# Altium PCB MOTOR SECOND.PcbDoc (part 3 of 4) (continued)
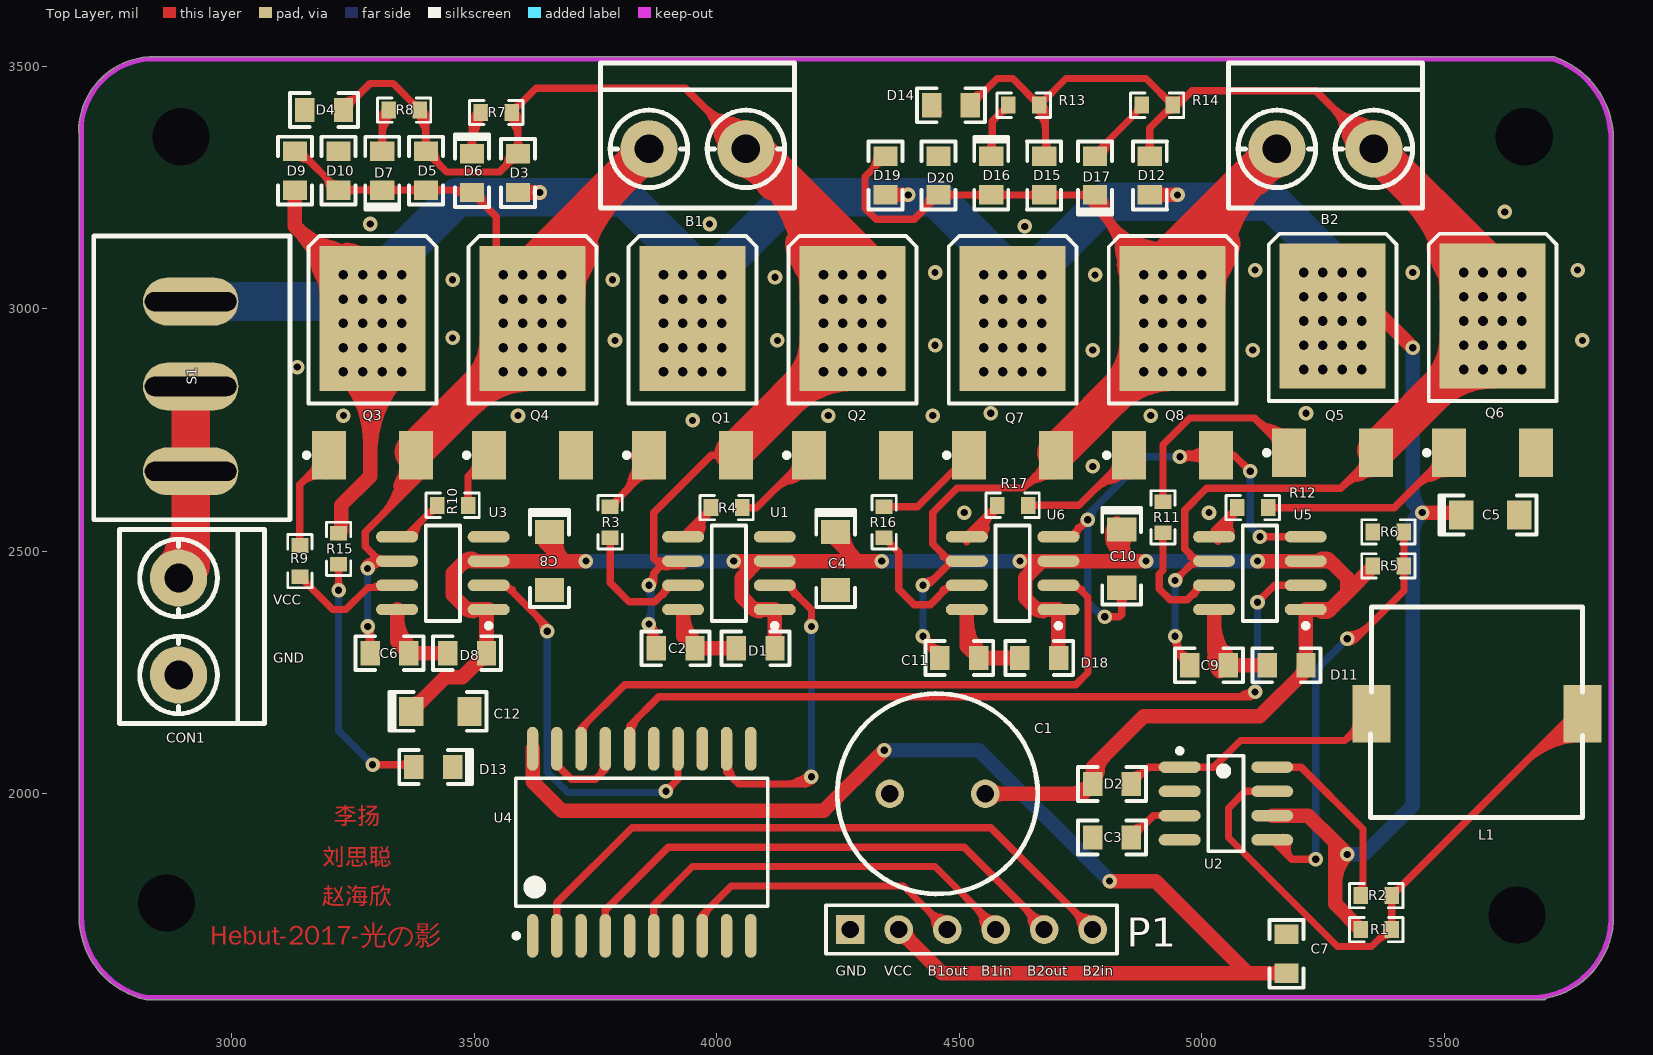
[diagram p0: Top Layer view]
## Nets (pads, with @x,y where several pads share a name; then routed paths per layer and width w, separated by ;. In a path a pad name is that pad's centre, name@x,y a point inside that pad or via, vN(x,y) a via of type N, cw(c..) or ccw(c..) an arc to the next point about the centre after c; other vN are vias at no path point) (continued)
  Top Layer w80: Q7.3@4699.76,2703.51 4866.26,2870 v1(4880,2870) ; Q8.2@4920,3095 B2.2@5155,3330 ; 4814.79,2818.53 cw(c4940,2693.31) Q8.2@4940,2870.39 ; 4814.79,2818.53 cw(c4940,2693.31) Q8.2@4940,2870.39 ; 4814.79,2818.53 cw(c4940,2693.31) Q8.2@4940,2870.39 ; 4824.68,2828.42 ccw(c4713.45,2939.65) Q8.2@4870.75,2939.65 ; 4824.68,2828.42 ccw(c4713.45,2939.65) Q8.2@4870.75,2939.65 ; 4824.68,2828.42 ccw(c4713.45,2939.65) Q8.2@4870.75,2939.65 ; Q8.2@4929.25,3020.35 cw(c5131.8,3020.35) 4988.58,3163.58 ; Q8.2@4929.25,3020.35 cw(c5131.8,3020.35) 4988.58,3163.58 ; Q8.2@4929.25,3020.35 cw(c5131.8,3020.35) 4988.58,3163.58 ; Q8.2@4945.37,3011.05 ccw(c4844.16,3186.36) 5039.69,3133.97 ; Q8.2@4945.37,3011.05 ccw(c4844.16,3186.36) 5039.69,3133.97 ; Q8.2@4945.37,3011.05 ccw(c4844.16,3186.36) 5039.69,3133.97 ; Q8.2@5009.25,3020.35 cw(c5404.94,3020.35) B2.2@5125.14,3300.14 ; Q8.2@5009.25,3020.35 cw(c5404.94,3020.35) B2.2@5125.14,3300.14 ; Q8.2@5009.25,3020.35 cw(c5404.94,3020.35) B2.2@5125.14,3300.14 ; 5109.34,3272.78 cw(c5181.49,3231.12) B2.2@5159.93,3311.59 ; 5109.34,3272.78 cw(c5181.49,3231.12) B2.2@5159.93,3311.59 ; 5109.34,3272.78 cw(c5181.49,3231.12) B2.2@5159.93,3311.59
  Bottom Layer w15: v2(4425,2325) v2@4425,2420 ; v2@4419.7,2330.3 ccw(c4406.89,2343.11) 4425,2343.11 ; v2@4419.7,2330.3 ccw(c4406.89,2343.11) 4425,2343.11 ; v2@4419.7,2330.3 ccw(c4406.89,2343.11) 4425,2343.11 ; v2@4419.7,2424.7 cw(c4406.89,2411.89) 4425,2411.89 ; v2@4419.7,2424.7 cw(c4406.89,2411.89) 4425,2411.89 ; v2@4419.7,2424.7 cw(c4406.89,2411.89) 4425,2411.89 ; 4425,2343.11 ccw(c4443.11,2343.11) v2@4430.3,2330.3 ; 4425,2343.11 ccw(c4443.11,2343.11) v2@4430.3,2330.3 ; 4425,2343.11 ccw(c4443.11,2343.11) v2@4430.3,2330.3 ; 4425,2411.89 cw(c4443.11,2411.89) v2@4430.3,2424.7 ; 4425,2411.89 cw(c4443.11,2411.89) v2@4430.3,2424.7 ; 4425,2411.89 cw(c4443.11,2411.89) v2@4430.3,2424.7
  other v1: 4920,2870 4960,2870 5000,2870 4880,2920 4920,2920 4960,2920 5000,2920 4880,2970 4920,2970 4960,2970 5000,2970 4880,3020 4920,3020 4960,3020 5000,3020 4880,3070 4960,3070 5000,3070
  other v2: 4425,2430
OUT2: B2.1 C9.2 D12.1 D14.2 D15.2 Q5.3 Q6.2 R13.2 R14.2 U5.6 | length 10375
  Top Layer w15: D14.2@4523,3420 4578,3475 4610,3475 R13.2@4665,3420 ; D15.2@4678,3325 4678,3407 R13.2@4665,3420 ; D12.1@4893,3315 D12.1@4908,3315 ; D12.1@4893,3320 4893,3373 R14.2@4940,3420 4885,3475 4720,3475 R13.2@4665,3420 ; v2(4945,2325) 4950,2290 ; v2(4945,2440) 4985,2480 U5.6@4990,2480 ; R14.2@4950,3420 4980,3450 5235,3450 B2.1@5355,3330 ; C9.2@4975,2265 4950,2290 ; 4981.27,2473.14 cw(c4989.23,2465.18) U5.6@4992.69,2475.9 ; 4982.75,2486.51 ccw(c4989.43,2492.39) U5.6@4992.52,2484.04 ; U5.6@5025.51,2480 U5.6@4990,2480 ; Q5.3@5359.76,2703.27 5286.5,2630 5010,2630 4964.7,2584.7 4964.7,2505.3 U5.6@4990,2480 ; D14.2@4520.63,3425.81 cw(c4543.42,3418.05) D14.2@4537.19,3441.3 ; D14.2@4520.63,3425.81 cw(c4543.42,3418.05) D14.2@4537.19,3441.3 ; D14.2@4520.63,3425.81 cw(c4543.42,3418.05) D14.2@4537.19,3441.3 ; D14.2@4523,3437.5 ccw(c4523,3479.75) 4552.87,3449.87 ; D14.2@4523,3437.5 ccw(c4523,3479.75) 4552.87,3449.87 ; D14.2@4523,3437.5 ccw(c4523,3479.75) 4552.87,3449.87 ; D14.2@4535.5,3425 cw(c4553.61,3425) D14.2@4540.8,3437.8 ; D14.2@4535.5,3425 cw(c4553.61,3425) D14.2@4540.8,3437.8 ; D14.2@4535.5,3425 cw(c4553.61,3425) D14.2@4540.8,3437.8 ; 4647.93,3437.07 ccw(c4665,3454.14) R13.2@4665,3430 ; 4647.93,3437.07 ccw(c4665,3454.14) R13.2@4665,3430 ; 4647.93,3437.07 ccw(c4665,3454.14) R13.2@4665,3430 ; R13.2@4659.7,3412.2 cw(c4615.51,3368.01) 4678,3368.01 ; R13.2@4659.7,3412.2 cw(c4615.51,3368.01) 4678,3368.01 ; R13.2@4659.7,3412.2 cw(c4615.51,3368.01) 4678,3368.01 ; R13.2@4665,3430 ccw(c4665,3454.14) 4682.07,3437.07 ; R13.2@4665,3430 ccw(c4665,3454.14) 4682.07,3437.07 ; R13.2@4665,3430 ccw(c4665,3454.14) 4682.07,3437.07 ; R13.2@4670.3,3422.8 cw(c4651.72,3404.22) R13.2@4678,3404.22 ; R13.2@4670.3,3422.8 cw(c4651.72,3404.22) R13.2@4678,3404.22 ; R13.2@4670.3,3422.8 cw(c4651.72,3404.22) R13.2@4678,3404.22 ; D15.2@4671.16,3323.84 ccw(c4654.65,3340.35) 4678,3340.35 ; D15.2@4671.16,3323.84 ccw(c4654.65,3340.35) 4678,3340.35 ; D15.2@4671.16,3323.84 ccw(c4654.65,3340.35) 4678,3340.35 ; R13.2@4671.94,3414.67 ccw(c4700.28,3403.11) 4673.78,3387.81 ; R13.2@4671.94,3414.67 ccw(c4700.28,3403.11) 4673.78,3387.81 ; R13.2@4671.94,3414.67 ccw(c4700.28,3403.11) 4673.78,3387.81 ; 4678,3350.01 ccw(c4715.01,3350.01) D15.2@4688.84,3323.84 ; 4678,3350.01 ccw(c4715.01,3350.01) D15.2@4688.84,3323.84 ; 4678,3350.01 ccw(c4715.01,3350.01) D15.2@4688.84,3323.84 ; D12.1@4884.16,3323.84 ccw(c4862.82,3345.18) 4893,3345.18 ; D12.1@4884.16,3323.84 ccw(c4862.82,3345.18) 4893,3345.18 ; D12.1@4884.16,3323.84 ccw(c4862.82,3345.18) 4893,3345.18 ; 4893,3345.18 ccw(c4923.18,3345.18) D12.1@4901.84,3323.84 ; 4893,3345.18 ccw(c4923.18,3345.18) D12.1@4901.84,3323.84 ; 4893,3345.18 ccw(c4923.18,3345.18) D12.1@4901.84,3323.84 ; 4922.93,3402.93 cw(c4940,3385.86) R14.2@4940,3410 ; 4922.93,3402.93 cw(c4940,3385.86) R14.2@4940,3410 ; 4922.93,3402.93 cw(c4940,3385.86) R14.2@4940,3410 ; 4922.93,3437.07 ccw(c4940,3454.14) R14.2@4940,3430 ; 4922.93,3437.07 ccw(c4940,3454.14) R14.2@4940,3430 ; 4922.93,3437.07 ccw(c4940,3454.14) R14.2@4940,3430 ; R14.2@4940,3430 ccw(c4940,3478.28) 4974.14,3444.14 ; R14.2@4940,3430 ccw(c4940,3478.28) 4974.14,3444.14 ; R14.2@4940,3430 ccw(c4940,3478.28) 4974.14,3444.14 ; v2@4940.5,2319 cw(c4929.64,2304.51) 4947.56,2307.08 ; v2@4940.5,2319 cw(c4929.64,2304.51) 4947.56,2307.08 ; v2@4940.5,2319 cw(c4929.64,2304.51) 4947.56,2307.08 ; v2@4945,2447.5 ccw(c4945,2465.61) 4957.8,2452.8 ; v2@4945,2447.5 ccw(c4945,2465.61) 4957.8,2452.8 ; v2@4945,2447.5 ccw(c4945,2465.61) 4957.8,2452.8 ; v2@4946.67,2313.31 ccw(c5014.78,2323.04) C9.2@4973.5,2268 ; v2@4946.67,2313.31 ccw(c5014.78,2323.04) C9.2@4973.5,2268 ; v2@4946.67,2313.31 ccw(c5014.78,2323.04) C9.2@4973.5,2268 ; v2@4946.67,2313.31 ccw(c5014.78,2323.04) C9.2@4973.5,2268 ; v2@4946.67,2313.31 ccw(c5014.78,2323.04) C9.2@4973.5,2268 ; v2@4946.67,2313.31 ccw(c5014.78,2323.04) C9.2@4973.5,2268 ; 4947.56,2307.08 cw(c4965.49,2309.64) v2@4951,2320.5 ; 4947.56,2307.08 cw(c4965.49,2309.64) v2@4951,2320.5 ; 4947.56,2307.08 cw(c4965.49,2309.64) v2@4951,2320.5 ; 4950,2290 ccw(c4969.15,2309.15) C9.2@4973.15,2282.36 ; 4950,2290 ccw(c4969.15,2309.15) C9.2@4973.15,2282.36 ; 4950,2290 ccw(c4969.15,2309.15) C9.2@4973.15,2282.36 ; 4951.15,2296.48 ccw(c4980.52,2319.54) C9.2@4976.38,2282.42 ; 4951.15,2296.48 ccw(c4980.52,2319.54) C9.2@4976.38,2282.42 ; 4951.15,2296.48 ccw(c4980.52,2319.54) C9.2@4976.38,2282.42 ; 4951.15,2296.48 ccw(c4980.52,2319.54) C9.2@4976.38,2282.42 ; 4951.15,2296.48 ccw(c4980.52,2319.54) C9.2@4976.38,2282.42 ; 4951.15,2296.48 ccw(c4980.52,2319.54) C9.2@4976.38,2282.42 ; v2@4951.96,2322.21 ccw(c4978.44,2311.58) 4952.2,2300.37 ; v2@4951.96,2322.21 ccw(c4978.44,2311.58) 4952.2,2300.37 ; v2@4951.96,2322.21 ccw(c4978.44,2311.58) 4952.2,2300.37 ; v2@4951.96,2322.21 ccw(c4978.44,2311.58) 4952.2,2300.37 ; v2@4951.96,2322.21 ccw(c4978.44,2311.58) 4952.2,2300.37 ; v2@4951.96,2322.21 ccw(c4978.44,2311.58) 4952.2,2300.37 ; v2@4951.96,2322.21 ccw(c4978.44,2311.58) 4952.2,2300.37 ; v2@4951.96,2322.21 ccw(c4978.44,2311.58) 4952.2,2300.37 ; v2@4951.96,2322.21 ccw(c4978.44,2311.58) 4952.2,2300.37 ; v2@4951.96,2322.21 ccw(c4978.44,2311.58) 4952.2,2300.37 ; v2@4951.96,2322.21 ccw(c4978.44,2311.58) 4952.2,2300.37 ; v2@4951.96,2322.21 ccw(c4978.44,2311.58) 4952.2,2300.37 ; v2@4952.5,2440 cw(c4970.61,2440) 4957.8,2452.8 ; v2@4952.5,2440 cw(c4970.61,2440) 4957.8,2452.8 ; v2@4952.5,2440 cw(c4970.61,2440) 4957.8,2452.8 ; C9.2@4957.2,2282.8 cw(c4944.39,2270) C9.2@4962.5,2270 ; C9.2@4957.2,2282.8 cw(c4944.39,2270) C9.2@4962.5,2270 ; C9.2@4957.2,2282.8 cw(c4944.39,2270) C9.2@4962.5,2270 ; C9.2@4958.07,2287.66 cw(c4940.81,2274.12) C9.2@4962.59,2271.5 ; C9.2@4958.07,2287.66 cw(c4940.81,2274.12) C9.2@4962.59,2271.5 ; C9.2@4958.07,2287.66 cw(c4940.81,2274.12) C9.2@4962.59,2271.5 ; C9.2@4958.07,2287.66 cw(c4940.81,2274.12) C9.2@4962.59,2271.5 ; C9.2@4958.07,2287.66 cw(c4940.81,2274.12) C9.2@4962.59,2271.5 ; C9.2@4958.07,2287.66 cw(c4940.81,2274.12) C9.2@4962.59,2271.5 ; 4971.27,2466.27 cw(c4994.02,2443.51) U5.6@4994.02,2475.69 ; 4971.27,2466.27 cw(c4994.02,2443.51) U5.6@4994.02,2475.69 ; 4971.27,2466.27 cw(c4994.02,2443.51) U5.6@4994.02,2475.69 ; 4975.33,2470.68 ccw(c4968.96,2494.47) U5.6@4990.28,2482.16 ; 4975.33,2470.68 ccw(c4968.96,2494.47) U5.6@4990.28,2482.16 ; 4975.33,2470.68 ccw(c4968.96,2494.47) U5.6@4990.28,2482.16 ; 4977,2488.87 cw(c4971.66,2468.94) U5.6@4990.15,2478.09 ; 4977,2488.87 cw(c4971.66,2468.94) U5.6@4990.15,2478.09 ; 4977,2488.87 cw(c4971.66,2468.94) U5.6@4990.15,2478.09 ; 4979.8,2490.2 ccw(c4994.02,2504.41) U5.6@4994.02,2484.31 ; 4979.8,2490.2 ccw(c4994.02,2504.41) U5.6@4994.02,2484.31 ; 4979.8,2490.2 ccw(c4994.02,2504.41) U5.6@4994.02,2484.31 ; 5266.99,3418.01 ccw(c5355,3506.02) B2.1@5355,3381.56 ; 5266.99,3418.01 cw(c5178.98,3330) B2.1@5303.44,3330 ; 5266.99,3418.01 ccw(c5355,3506.02) B2.1@5355,3381.56 ; 5266.99,3418.01 cw(c5178.98,3330) B2.1@5303.44,3330 ; 5266.99,3418.01 ccw(c5355,3506.02) B2.1@5355,3381.56 ; 5266.99,3418.01 cw(c5178.98,3330) B2.1@5303.44,3330 ; 5287.21,2630.72 cw(c5359.76,2558.16) Q5.3@5359.76,2660.77 ; 5287.21,2630.72 cw(c5359.76,2558.16) Q5.3@5359.76,2660.77 ; 5287.21,2630.72 cw(c5359.76,2558.16) Q5.3@5359.76,2660.77 ; 5289.58,3381.75 ccw(c5370.01,3403.3) B2.1@5353.31,3321.73 ; 5289.58,3381.75 ccw(c5370.01,3403.3) B2.1@5353.31,3321.73 ; 5289.58,3381.75 ccw(c5370.01,3403.3) B2.1@5353.31,3321.73 ; 5292.6,3392.4 ccw(c5355,3454.81) B2.1@5355,3366.56 ; 5292.6,3392.4 cw(c5230.19,3330) B2.1@5318.44,3330 ; 5292.6,3392.4 ccw(c5355,3454.81) B2.1@5355,3366.56 ; 5292.6,3392.4 cw(c5230.19,3330) B2.1@5318.44,3330 ; 5292.6,3392.4 ccw(c5355,3454.81) B2.1@5355,3366.56 ; 5292.6,3392.4 cw(c5230.19,3330) B2.1@5318.44,3330 ; 5295.86,3358.31 ccw(c5364.57,3376.72) B2.1@5350.3,3307.03 ; 5295.86,3358.31 ccw(c5364.57,3376.72) B2.1@5350.3,3307.03 ; 5295.86,3358.31 ccw(c5364.57,3376.72) B2.1@5350.3,3307.03 ; 5303.25,3395.42 cw(c5281.7,3314.99) B2.1@5363.27,3331.69 ; 5303.25,3395.42 cw(c5281.7,3314.99) B2.1@5363.27,3331.69 ; 5303.25,3395.42 cw(c5281.7,3314.99) B2.1@5363.27,3331.69 ; 5306.39,3375 ccw(c5356.52,3388.43) B2.1@5355.17,3336.55 ; 5306.39,3375 ccw(c5356.52,3388.43) B2.1@5355.17,3336.55 ; 5306.39,3375 ccw(c5356.52,3388.43) B2.1@5355.17,3336.55 ; 5310,3378.61 cw(c5296.57,3328.48) B2.1@5348.45,3329.83 ; 5310,3378.61 cw(c5296.57,3328.48) B2.1@5348.45,3329.83 ; 5310,3378.61 cw(c5296.57,3328.48) B2.1@5348.45,3329.83 ; 5312.82,2656.32 cw(c5359.76,2609.38) Q5.3@5359.76,2675.77 ; 5312.82,2656.32 cw(c5359.76,2609.38) Q5.3@5359.76,2675.77 ; 5312.82,2656.32 cw(c5359.76,2609.38) Q5.3@5359.76,2675.77 ; 5320.97,2650.37 ccw(c5305.18,2709.28) Q5.3@5362.1,2687.37 ; 5320.97,2650.37 ccw(c5305.18,2709.28) Q5.3@5362.1,2687.37 ; 5320.97,2650.37 ccw(c5305.18,2709.28) Q5.3@5362.1,2687.37 ; 5323.43,2666.93 ccw(c5302.09,2688.27) Q5.3@5332.26,2688.27 ; 5323.43,2666.93 ccw(c5302.09,2688.27) Q5.3@5332.26,2688.27 ; 5323.43,2666.93 ccw(c5302.09,2688.27) Q5.3@5332.26,2688.27 ; 5326.69,3389.14 cw(c5308.28,3320.43) B2.1@5377.97,3334.7 ; 5326.69,3389.14 cw(c5308.28,3320.43) B2.1@5377.97,3334.7 ; 5326.69,3389.14 cw(c5308.28,3320.43) B2.1@5377.97,3334.7
  Top Layer w80: B2.1@5355,3330 Q6.2@5580,3105 ; Q5.3@5359.76,2708.51 5526.26,2875 v1(5540,2875) ; 5439.6,3245.4 cw(c5219.56,3025.35) Q6.2@5530.75,3025.35 ; 5439.6,3245.4 cw(c5219.56,3025.35) Q6.2@5530.75,3025.35 ; 5439.6,3245.4 cw(c5219.56,3025.35) Q6.2@5530.75,3025.35 ; 5474.79,2823.53 cw(c5600,2698.31) Q6.2@5600,2875.39 ; 5474.79,2823.53 cw(c5600,2698.31) Q6.2@5600,2875.39 ; 5474.79,2823.53 cw(c5600,2698.31) Q6.2@5600,2875.39 ; 5484.68,2833.42 ccw(c5373.45,2944.65) Q6.2@5530.75,2944.65 ; 5484.68,2833.42 ccw(c5373.45,2944.65) Q6.2@5530.75,2944.65 ; 5484.68,2833.42 ccw(c5373.45,2944.65) Q6.2@5530.75,2944.65 ; Q6.2@5503.92,3125.49 ccw(c5668.6,3169.62) Q6.2@5595.38,3015.65 ; Q6.2@5503.92,3125.49 ccw(c5668.6,3169.62) Q6.2@5595.38,3015.65 ; Q6.2@5503.92,3125.49 ccw(c5668.6,3169.62) Q6.2@5595.38,3015.65
  Bottom Layer w15: v2(4945,2325) v2(4945,2440) ; v2@4939.7,2330.3 ccw(c4926.89,2343.11) 4945,2343.11 ; v2@4939.7,2330.3 ccw(c4926.89,2343.11) 4945,2343.11 ; v2@4939.7,2330.3 ccw(c4926.89,2343.11) 4945,2343.11 ; v2@4939.7,2434.7 cw(c4926.89,2421.89) 4945,2421.89 ; v2@4939.7,2434.7 cw(c4926.89,2421.89) 4945,2421.89 ; v2@4939.7,2434.7 cw(c4926.89,2421.89) 4945,2421.89 ; 4945,2343.11 ccw(c4963.11,2343.11) v2@4950.3,2330.3 ; 4945,2343.11 ccw(c4963.11,2343.11) v2@4950.3,2330.3 ; 4945,2343.11 ccw(c4963.11,2343.11) v2@4950.3,2330.3 ; 4945,2421.89 cw(c4963.11,2421.89) v2@4950.3,2434.7 ; 4945,2421.89 cw(c4963.11,2421.89) v2@4950.3,2434.7 ; 4945,2421.89 cw(c4963.11,2421.89) v2@4950.3,2434.7
  other v1: 5580,2875 5620,2875 5660,2875 5540,2925 5580,2925 5620,2925 5660,2925 5540,2975 5580,2975 5620,2975 5660,2975 5540,3025 5580,3025 5620,3025 5660,3025 5540,3075 5580,3075 5620,3075 5660,3075
VBAT: C5.1 D3.2 D9.2 D12.2 D19.2 Q1.2 Q3.2 Q5.2 Q7.2 R1.2 R15.1 S1.3 U2.6 | length 13954.6
  Top Layer w15: v1(3270,2870) Q3.2@3285,2855 ; Q3.2@3270,2861.75 cw(c3270,2841.84) Q3.2@3284.08,2855.92 ; Q3.2@3270,2861.75 cw(c3270,2841.84) Q3.2@3284.08,2855.92 ; Q3.2@3270,2861.75 cw(c3270,2841.84) Q3.2@3284.08,2855.92 ; Q3.2@3278.25,2870 ccw(c3298.16,2870) Q3.2@3284.08,2855.92 ; Q3.2@3278.25,2870 ccw(c3298.16,2870) Q3.2@3284.08,2855.92 ; Q3.2@3278.25,2870 ccw(c3298.16,2870) Q3.2@3284.08,2855.92 ; Q5.2@5215.83,2880.83 ccw(c5241.98,2906.98) Q5.2@5241.98,2870 ; Q5.2@5215.83,2880.83 ccw(c5241.98,2906.98) Q5.2@5241.98,2870 ; Q5.2@5215.83,2880.83 ccw(c5241.98,2906.98) Q5.2@5241.98,2870 ; Q5.2@5217.02,2870.68 cw(c5224.21,2866.25) Q5.2@5228.43,2873.56 ; Q5.2@5217.02,2870.68 cw(c5224.21,2866.25) Q5.2@5228.43,2873.56 ; Q5.2@5217.02,2870.68 cw(c5224.21,2866.25) Q5.2@5228.43,2873.56 ; Q5.2@5220,2870 ccw(c5220,2902.34) Q5.2@5243.9,2880.56 ; Q5.2@5220,2870 ccw(c5220,2902.34) Q5.2@5243.9,2880.56 ; Q5.2@5220,2870 ccw(c5220,2902.34) Q5.2@5243.9,2880.56 ; Q5.2@5220,2870 Q5.2@5270,2870 ; Q5.2@5257.59,2878.22 ccw(c5270,2883.47) Q5.2@5270,2870 ; Q5.2@5257.59,2878.22 ccw(c5270,2883.47) Q5.2@5270,2870 ; Q5.2@5257.59,2878.22 ccw(c5270,2883.47) Q5.2@5270,2870 ; Q5.2@5258.02,2870 ccw(c5258.02,2906.98) Q5.2@5284.17,2880.83 ; Q5.2@5258.02,2870 ccw(c5258.02,2906.98) Q5.2@5284.17,2880.83 ; Q5.2@5258.02,2870 ccw(c5258.02,2906.98) Q5.2@5284.17,2880.83 ; Q5.2@5270,2870 ccw(c5270,2883.47) Q5.2@5282.41,2878.22 ; Q5.2@5270,2870 ccw(c5270,2883.47) Q5.2@5282.41,2878.22 ; Q5.2@5270,2870 ccw(c5270,2883.47) Q5.2@5282.41,2878.22 ; Q5.2@5271.57,2873.56 cw(c5275.79,2866.25) Q5.2@5282.98,2870.68 ; Q5.2@5271.57,2873.56 cw(c5275.79,2866.25) Q5.2@5282.98,2870.68 ; Q5.2@5271.57,2873.56 cw(c5275.79,2866.25) Q5.2@5282.98,2870.68
  Top Layer w30: D9.2@3130,3245 3130,3170 ; R15.1@3220,2537 3225,2542 3225,2595 3285,2655 Q3.2@3285,2855 ; v1(3230,3070) 3130,3170 ; Q3.2@3297.29,3087.41 cw(c3282.07,3064.17) Q3.2@3309.27,3069.85 ; Q3.2@3310.49,3069.44 cw(c3325.32,3052.45) Q3.2@3329.51,3074.61 ; D3.2@3590,3240 v2(3635,3240) ; D19.2@4348,3235 v2(4395,3235) ; D12.2@4898,3235 v2(4950,3235) ; U2.6@5145.47,1955 5220,1955 5275,1900 ; 5275,1814.64 cw(c5360.36,1814.64) v2(5300,1875) 5275,1900 ; R1.2@5328,1720 5275,1773 5275,1900 ; v1(5330,3025) v2(5435,2920) ; v2(5455,2580) C5.1@5530,2580 ; 3130.01,3169.99 ccw(c3266.12,3306.11) Q3.2@3282.15,3114.28 ; 3130.01,3169.99 ccw(c3266.12,3306.11) Q3.2@3282.15,3114.28 ; 3130.01,3169.99 ccw(c3266.12,3306.11) Q3.2@3282.15,3114.28 ; 3136.42,3163.58 cw(c2993.2,3020.35) Q3.2@3195.75,3020.35 ; 3136.42,3163.58 cw(c2993.2,3020.35) Q3.2@3195.75,3020.35 ; 3136.42,3163.58 cw(c2993.2,3020.35) Q3.2@3195.75,3020.35 ; 3175.73,3124.27 ccw(c3273.18,3221.71) Q3.2@3284.65,3084.38 ; 3175.73,3124.27 ccw(c3273.18,3221.71) Q3.2@3284.65,3084.38 ; 3175.73,3124.27 ccw(c3273.18,3221.71) Q3.2@3284.65,3084.38 ; 3175.89,3094.45 ccw(c3307.91,3129.82) Q3.2@3285.84,2994.94 ; 3175.89,3094.45 ccw(c3307.91,3129.82) Q3.2@3285.84,2994.94 ; 3175.89,3094.45 ccw(c3307.91,3129.82) Q3.2@3285.84,2994.94 ; 3178.48,3132.98 cw(c3145.23,2948.65) Q3.2@3313.07,3031.78 ; 3178.48,3132.98 cw(c3145.23,2948.65) Q3.2@3313.07,3031.78 ; 3178.48,3132.98 cw(c3145.23,2948.65) Q3.2@3313.07,3031.78 ; Q3.2@3187.64,3112.36 cw(c3095.63,3020.35) Q3.2@3225.75,3020.35 ; Q3.2@3187.64,3112.36 cw(c3095.63,3020.35) Q3.2@3225.75,3020.35 ; Q3.2@3187.64,3112.36 cw(c3095.63,3020.35) Q3.2@3225.75,3020.35 ; Q3.2@3200.99,3091.28 ccw(c3240.38,3116.23) Q3.2@3230.16,3070.73 ; Q3.2@3200.99,3091.28 ccw(c3240.38,3116.23) Q3.2@3230.16,3070.73 ; Q3.2@3200.99,3091.28 ccw(c3240.38,3116.23) Q3.2@3230.16,3070.73 ; Q3.2@3200.99,3091.28 ccw(c3240.38,3116.23) Q3.2@3230.16,3070.73 ; Q3.2@3200.99,3091.28 ccw(c3240.38,3116.23) Q3.2@3230.16,3070.73 ; Q3.2@3200.99,3091.28 ccw(c3240.38,3116.23) Q3.2@3230.16,3070.73 ; Q3.2@3223.35,2873 cw(c3074.53,2724.17) 3285,2724.17 ; Q3.2@3223.35,2873 cw(c3074.53,2724.17) 3285,2724.17 ; Q3.2@3223.35,2873 cw(c3074.53,2724.17) 3285,2724.17 ; Q3.2@3231.39,3093.99 cw(c3220.91,3035.91) Q3.2@3269.39,3069.57 ; Q3.2@3231.39,3093.99 cw(c3220.91,3035.91) Q3.2@3269.39,3069.57 ; Q3.2@3231.39,3093.99 cw(c3220.91,3035.91) Q3.2@3269.39,3069.57 ; Q3.2@3231.39,3093.99 cw(c3220.91,3035.91) Q3.2@3269.39,3069.57 ; Q3.2@3231.39,3093.99 cw(c3220.91,3035.91) Q3.2@3269.39,3069.57 ; Q3.2@3231.39,3093.99 cw(c3220.91,3035.91) Q3.2@3269.39,3069.57 ; Q3.2@3237.14,3122.4 cw(c3211.75,2981.6) Q3.2@3339.96,3045.1 ; Q3.2@3237.14,3122.4 cw(c3211.75,2981.6) Q3.2@3339.96,3045.1 ; Q3.2@3237.14,3122.4 cw(c3211.75,2981.6) Q3.2@3339.96,3045.1 ; Q3.2@3240.43,3092.36 cw(c3233.46,3053.73) Q3.2@3269.32,3069.7 ; Q3.2@3240.43,3092.36 cw(c3233.46,3053.73) Q3.2@3269.32,3069.7 ; Q3.2@3240.43,3092.36 cw(c3233.46,3053.73) Q3.2@3269.32,3069.7 ; Q3.2@3240.43,3092.36 cw(c3233.46,3053.73) Q3.2@3269.32,3069.7 ; Q3.2@3240.43,3092.36 cw(c3233.46,3053.73) Q3.2@3269.32,3069.7 ; Q3.2@3240.43,3092.36 cw(c3233.46,3053.73) Q3.2@3269.32,3069.7 ; Q3.2@3244.57,2894.21 cw(c3146.95,2796.6) 3285,2796.6 ; Q3.2@3244.57,2894.21 cw(c3146.95,2796.6) 3285,2796.6 ; Q3.2@3244.57,2894.21 cw(c3146.95,2796.6) 3285,2796.6 ; Q3.2@3248.28,3097.58 cw(c3225.26,3058.36) Q3.2@3269.28,3069.81 ; Q3.2@3248.28,3097.58 cw(c3225.26,3058.36) Q3.2@3269.28,3069.81 ; Q3.2@3248.28,3097.58 cw(c3225.26,3058.36) Q3.2@3269.28,3069.81 ; Q3.2@3248.28,3097.58 cw(c3225.26,3058.36) Q3.2@3269.28,3069.81 ; Q3.2@3265.46,3084.37 ccw(c3304.14,3131.24) Q3.2@3309.93,3070.74 ; Q3.2@3265.46,3084.37 ccw(c3304.14,3131.24) Q3.2@3309.93,3070.74 ; Q3.2@3265.46,3084.37 ccw(c3304.14,3131.24) Q3.2@3309.93,3070.74 ; Q3.2@3265.46,3084.37 ccw(c3304.14,3131.24) Q3.2@3309.93,3070.74 ; Q3.2@3268.79,2853.45 cw(c3289.26,2859.29) Q3.2@3270.65,2869.64 ; Q3.2@3268.79,2853.45 cw(c3289.26,2859.29) Q3.2@3270.65,2869.64 ; Q3.2@3268.79,2853.45 cw(c3289.26,2859.29) Q3.2@3270.65,2869.64 ; Q3.2@3268.79,2853.45 cw(c3289.26,2859.29) Q3.2@3270.65,2869.64 ; Q3.2@3268.79,2853.45 cw(c3289.26,2859.29) Q3.2@3270.65,2869.64 ; Q3.2@3268.79,2853.45 cw(c3289.26,2859.29) Q3.2@3270.65,2869.64 ; Q3.2@3269.47,2869.47 cw(c3231.98,2831.98) Q3.2@3285,2831.98 ; Q3.2@3269.47,2869.47 cw(c3231.98,2831.98) Q3.2@3285,2831.98 ; Q3.2@3269.47,2869.47 cw(c3231.98,2831.98) Q3.2@3285,2831.98 ; Q3.2@3269.78,2869.28 cw(c3263.59,2848.79) Q3.2@3285,2848.79 ; Q3.2@3269.78,2869.28 cw(c3263.59,2848.79) Q3.2@3285,2848.79 ; Q3.2@3269.78,2869.28 cw(c3263.59,2848.79) Q3.2@3285,2848.79 ; Q3.2@3269.87,3069.26 cw(c3262.03,3023.45) Q3.2@3299.97,3050.3 ; Q3.2@3269.87,3069.26 cw(c3262.03,3023.45) Q3.2@3299.97,3050.3 ; Q3.2@3269.87,3069.26 cw(c3262.03,3023.45) Q3.2@3299.97,3050.3 ; Q3.2@3269.87,3069.26 cw(c3262.03,3023.45) Q3.2@3299.97,3050.3 ; Q3.2@3281.51,3063.09 ccw(c3291.47,3081.86) Q3.2@3309.37,3070.4 ; Q3.2@3281.51,3063.09 ccw(c3291.47,3081.86) Q3.2@3309.37,3070.4 ; Q3.2@3281.51,3063.09 ccw(c3291.47,3081.86) Q3.2@3309.37,3070.4 ; Q3.2@3281.51,3063.09 ccw(c3291.47,3081.86) Q3.2@3309.37,3070.4 ; Q3.2@3281.51,3063.09 ccw(c3291.47,3081.86) Q3.2@3309.37,3070.4 ; 3285,2700.03 cw(c3529.62,2700.03) Q3.2@3356.65,2873 ; 3285,2700.03 cw(c3529.62,2700.03) Q3.2@3356.65,2873 ; 3285,2700.03 cw(c3529.62,2700.03) Q3.2@3356.65,2873 ; 3285,2772.46 cw(c3457.19,2772.46) Q3.2@3335.43,2894.21 ; 3285,2772.46 cw(c3457.19,2772.46) Q3.2@3335.43,2894.21 ; 3285,2772.46 cw(c3457.19,2772.46) Q3.2@3335.43,2894.21 ; 3285,2807.84 cw(c3372.16,2807.84) Q3.2@3310.53,2869.47 ; 3285,2807.84 cw(c3372.16,2807.84) Q3.2@3310.53,2869.47 ; 3285,2807.84 cw(c3372.16,2807.84) Q3.2@3310.53,2869.47 ; Q3.2@3285,2840.85 cw(c3313.63,2840.85) Q3.2@3310.09,2869.26 ; Q3.2@3285,2840.85 cw(c3313.63,2840.85) Q3.2@3310.09,2869.26 ; Q3.2@3285,2840.85 cw(c3313.63,2840.85) Q3.2@3310.09,2869.26 ; Q3.2@3291.74,3091.96 cw(c3273.75,3059.7) Q3.2@3309.28,3069.8 ; Q3.2@3291.74,3091.96 cw(c3273.75,3059.7) Q3.2@3309.28,3069.8 ; Q3.2@3291.74,3091.96 cw(c3273.75,3059.7) Q3.2@3309.28,3069.8 ; Q3.2@3291.74,3091.96 cw(c3273.75,3059.7) Q3.2@3309.28,3069.8 ; Q3.2@3295.29,3088.72 ccw(c3344.31,3145.7) Q3.2@3349.94,3070.75 ; Q3.2@3295.29,3088.72 ccw(c3344.31,3145.7) Q3.2@3349.94,3070.75 ; Q3.2@3295.29,3088.72 ccw(c3344.31,3145.7) Q3.2@3349.94,3070.75 ; Q3.2@3295.29,3088.72 ccw(c3344.31,3145.7) Q3.2@3349.94,3070.75 ; Q3.2@3300.51,3046.26 cw(c3273.25,3022.6) Q3.2@3309.25,3020.05 ; Q3.2@3300.51,3046.26 cw(c3273.25,3022.6) Q3.2@3309.25,3020.05 ; Q3.2@3300.51,3046.26 cw(c3273.25,3022.6) Q3.2@3309.25,3020.05 ; Q3.2@3300.51,3046.26 cw(c3273.25,3022.6) Q3.2@3309.25,3020.05 ; Q3.2@3308.41,3039.52 cw(c3330.76,3052.99) Q3.2@3310.58,3069.53 ; Q3.2@3308.41,3039.52 cw(c3330.76,3052.99) Q3.2@3310.58,3069.53 ; Q3.2@3308.41,3039.52 cw(c3330.76,3052.99) Q3.2@3310.58,3069.53 ; Q3.2@3308.41,3039.52 cw(c3330.76,3052.99) Q3.2@3310.58,3069.53 ; Q3.2@3309.86,3069.27 cw(c3302.57,3031.23) Q3.2@3334.62,3052.97 ; Q3.2@3309.86,3069.27 cw(c3302.57,3031.23) Q3.2@3334.62,3052.97 ; Q3.2@3309.86,3069.27 cw(c3302.57,3031.23) Q3.2@3334.62,3052.97 ; Q3.2@3309.86,3069.27 cw(c3302.57,3031.23) Q3.2@3334.62,3052.97
  Bottom Layer w30: v2(5300,1875) 5335,1875 5435,1975 5435,2560 v2@5450,2575 ; v2(5435,2920) 5435,2600 v2(5455,2580) ; 5435,2531.72 cw(c5503.28,2531.72) v2(5455,2580) ; 5435,2531.72 cw(c5503.28,2531.72) v2(5455,2580) ; 5435,2531.72 cw(c5503.28,2531.72) v2(5455,2580) ; 5435,2551.72 cw(c5465,2551.72) v2(5455,2580) ; 5435,2551.72 cw(c5465,2551.72) v2(5455,2580) ; 5435,2551.72 cw(c5465,2551.72) v2(5455,2580) ; 5435,2628.28 ccw(c5503.28,2628.28) v2(5455,2580) ; 5435,2628.28 ccw(c5503.28,2628.28) v2(5455,2580) ; 5435,2628.28 ccw(c5503.28,2628.28) v2(5455,2580)
  Bottom Layer w80: S1.3@2915,3015 3250,3015 3465,3230 3810,3230 v1(3970,3070) 3980,3060 4150,3230 4450,3230 4630,3050 4800.94,3220.94 5144.06,3220.94 v1(5290,3075)
  other v1: 3230,2870 3310,2870 3350,2870 3890,2870 3930,2870 3970,2870 4010,2870 4550,2870 4590,2870 4630,2870 4670,2870 5210,2875 5250,2875 5290,2875 5330,2875 3230,2920 3270,2920 3310,2920 3350,2920 3890,2920 3930,2920 3970,2920 4010,2920 4550,2920 4590,2920 4630,2920 4670,2920 5210,2925 5250,2925 5290,2925 5330,2925 3230,2970 3270,2970 3310,2970 3350,2970 3890,2970 3930,2970 3970,2970 4010,2970 4550,2970 4590,2970 4630,2970 4670,2970 5210,2975 5250,2975 5290,2975 5330,2975 3230,3020 3270,3020 3310,3020 3350,3020 3890,3020 3930,3020 3970,3020 4010,3020 4550,3020 4590,3020 4630,3020 4670,3020 5210,3025 5250,3025 5290,3025 3270,3070 3310,3070 3350,3070 3890,3070 3930,3070 4010,3070 4550,3070 4590,3070 4630,3070 4670,3070 5210,3075 5250,3075 5330,3075
copper on no net:
  other v2: 4510,2580 5015,2580 4775,2675 3950,2770 3230,2780 3590,2780 4230,2780 4445,2780 4895,2780 4565,2785 5215,2785 3135,2880 4775,2915 5105,2915 4450,2925 3790,2935 4125,2935 5785,2935 3455,2940 3455,3060 3785,3060 4120,3065 4780,3070 4450,3075 5435,3075 5110,3080 5775,3080 4635,3170 3285,3175 3985,3175 5625,3200

## Keep-outs
Keep-Out Layer:
  lines w10: 2689.07,3365.54 cw(c2838.79,3365.54) 2830,3515 2915,3515 5725,3515 cw(c5670.11,3350.34) 5843.61,3345.38 5843.61,1736.39 cw(c5677.69,1746.15) 5697.69,1581.15 ; 2690,1750.67 2690,1990 2690,3374.36 ; 2690.06,1746.58 ccw(c2860.35,1746.58) 2825,1580 5705,1580

## Other copper
Top Layer:
  text "李扬" at 3210,1925 h60
  text "刘思聪" at 3185,1840 h60
  text "赵海欣" at 3185,1760 h60
  text "Hebut-2017-光の影" at 2955,1675 h70

## Silkscreen, mask and mechanical layers (free items; w line width, h text height)
Top Overlay:
  text "VCC" at 3085,2390 h20
  text "GND" at 3085,2270 h20
  text "GND" at 4245,1625 h20
  text "VCC" at 4345,1625 h20
  text "B1out" at 4435,1625 h20
  text "B1in" at 4545,1625 h20
  text "B2out" at 4640,1625 h20
  text "B2in" at 4755,1625 h20